# Altium PCB NURIP.PcbDoc (part 8 of 14)
Units mil, origin at the board's own origin, x right, y up, seen from the top; angles counter-clockwise.
Board outline 7096.64 x 6702.94 mil, 6 copper layers (L1, L2, L3, L4, L5, L6), stack 48.469 mil thick; 305 components, 426 nets, 2172 pads, 1040 vias.
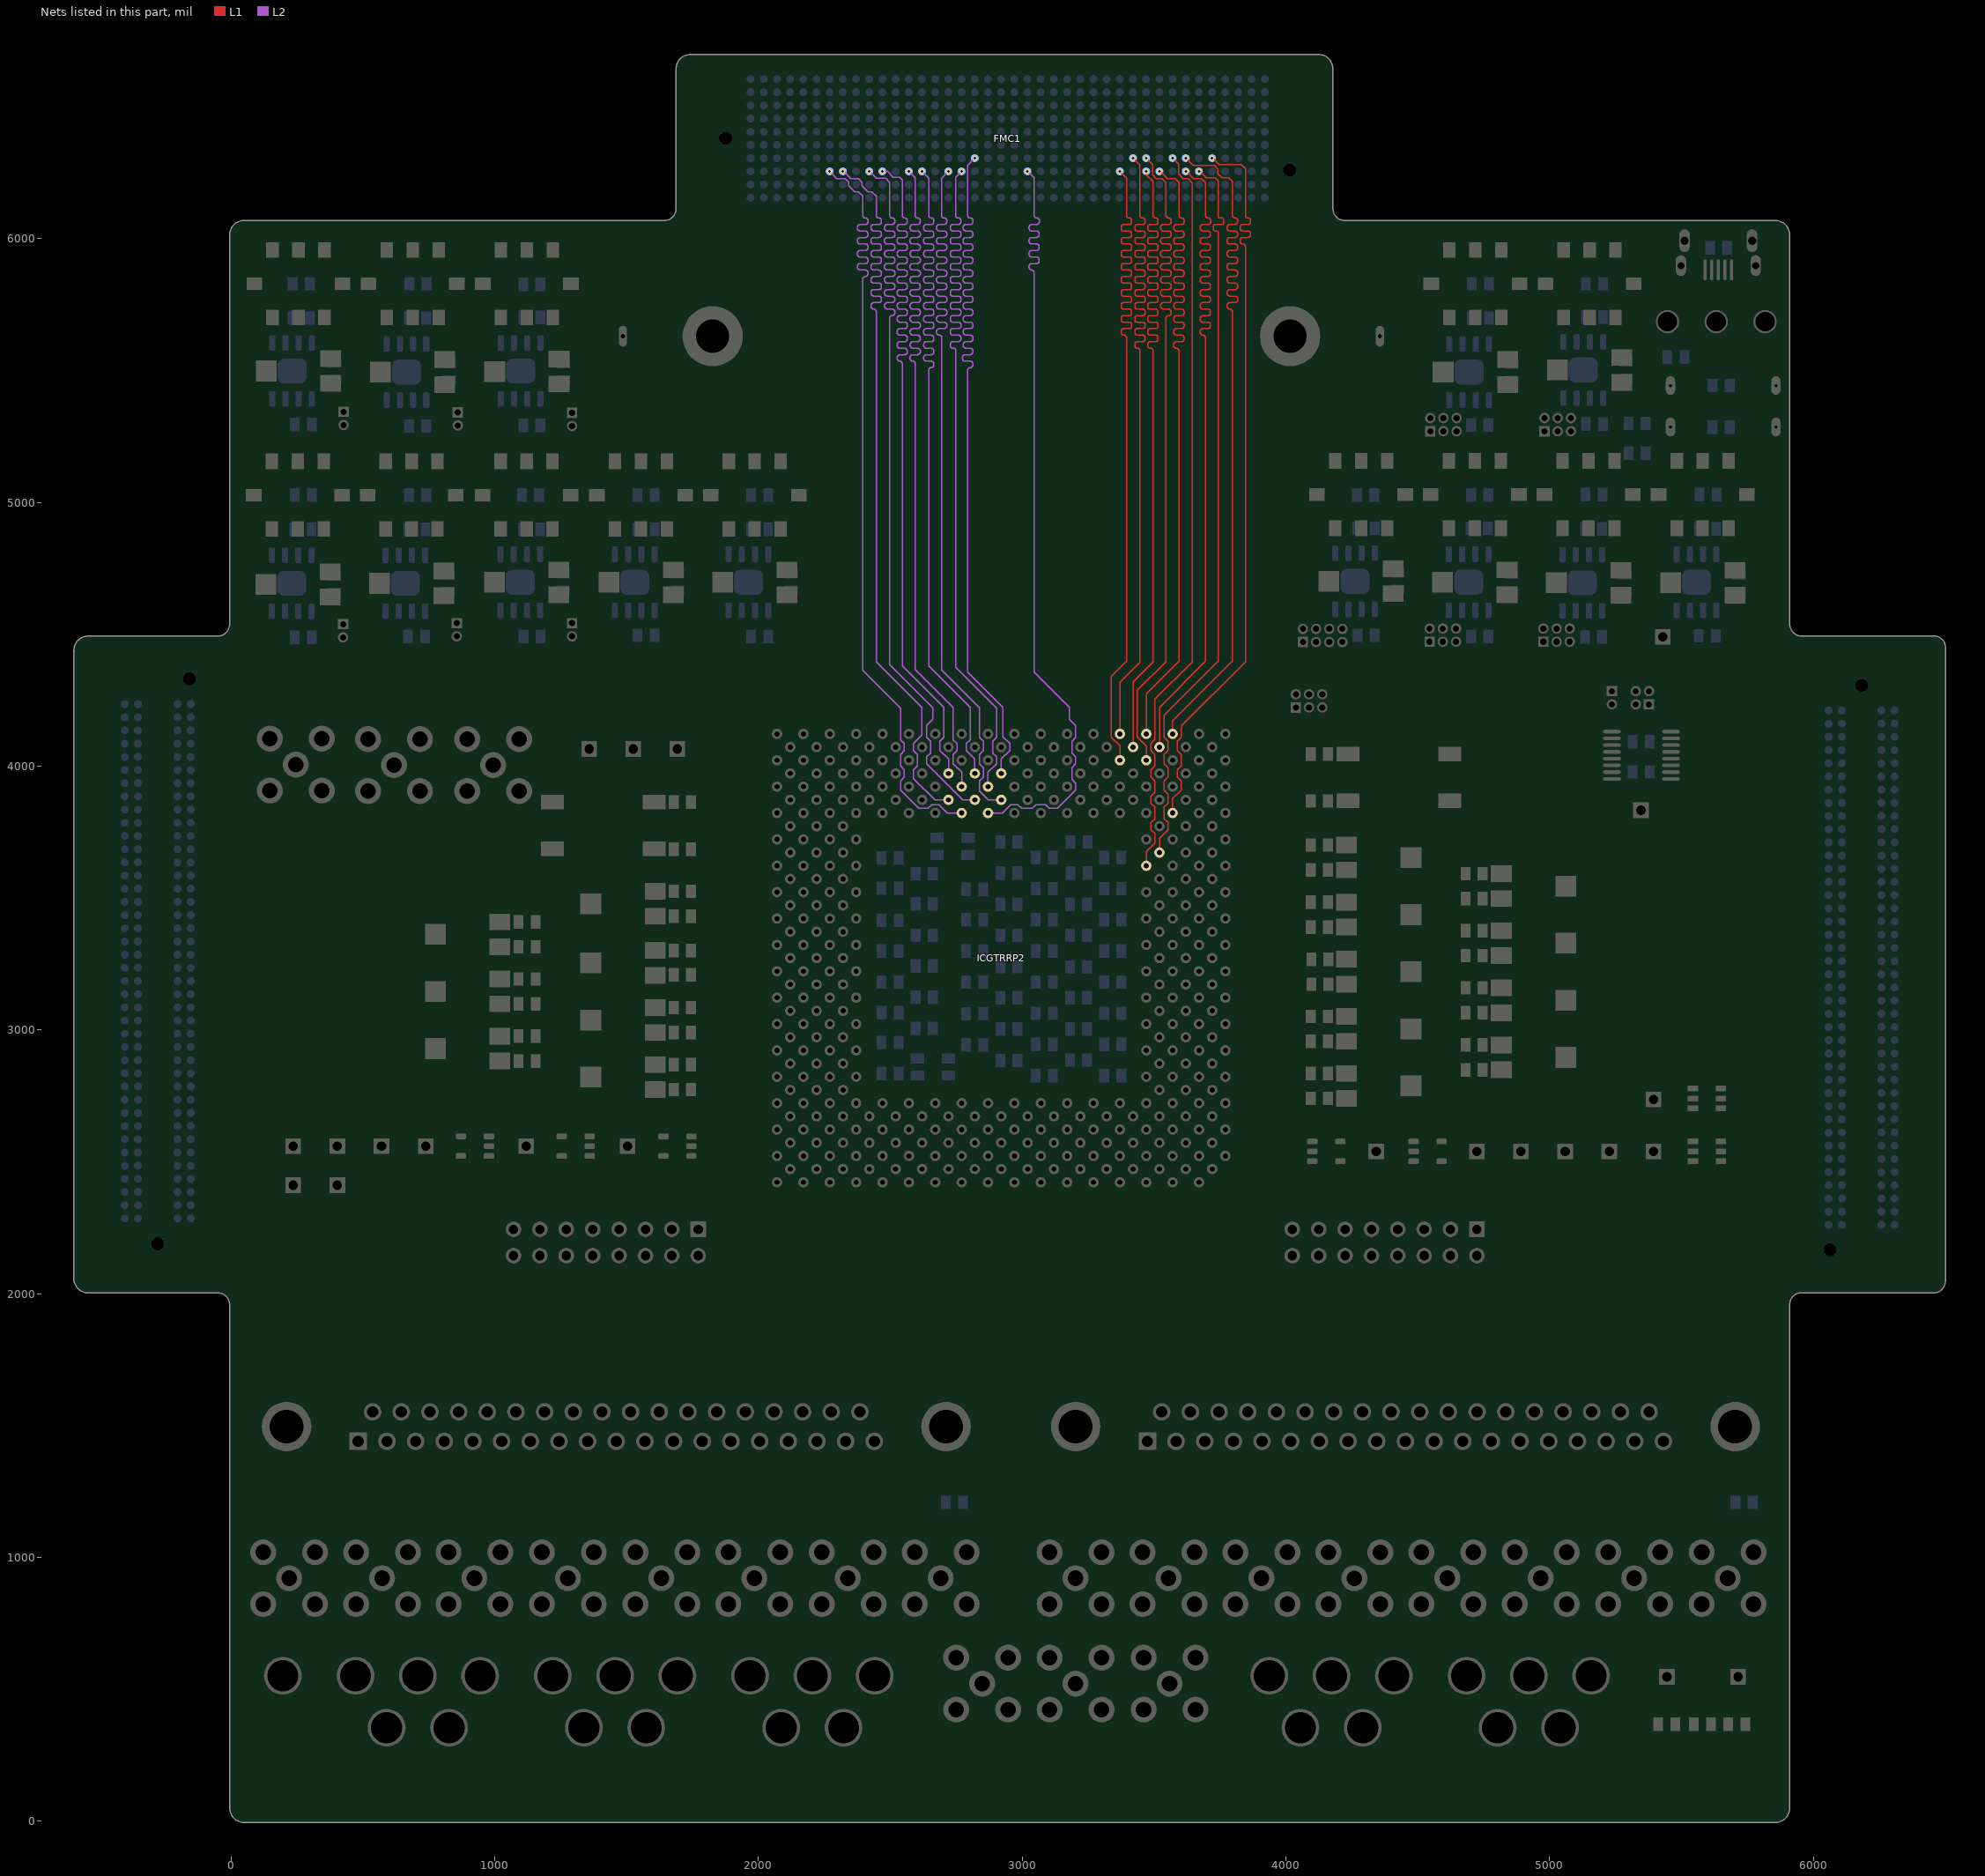
[diagram p12: the nets of this part, all layers, seen from the top]

## Via types
v1: diameter 20, hole 10, L1 to L6, tented both sides, 908 vias
v2: diameter 19.68, hole 7.87, L1 to L6, 126 vias
v3: diameter 196.85, hole 118.11, L1 to L6, 6 vias

## Nets (pads, with @x,y where several pads share a name; then routed paths per layer and width w, separated by ;. In a path a pad name is that pad's centre, name@x,y a point inside that pad or via, vN(x,y) a via of type N, cw(c..) or ccw(c..) an arc to the next point about the centre after c; other vN are vias at no path point) (continued)
EXT_PER_DIN(6): FMC1.G18 ICGTRRP2.AM18 | length 3061.3
  L2 w5: v1(2820.24,6304.92) 2793.31,6277.99 2793.31,6090.55 2793.31,6088.06 ccw(c2803.16,6088.06) 2803.16,6078.21 cw(c2803.16,6068.33) 2813.03,6068.33 2813.03,6063.4 cw(c2803.16,6063.4) 2803.16,6053.52 2793.31,6053.52 2786.76,6053.52 ccw(c2786.76,6043.65) 2776.88,6043.65 2776.88,6038.71 ccw(c2786.76,6038.71) 2786.76,6028.84 2793.31,6028.84 2803.16,6028.84 cw(c2803.16,6018.96) 2813.03,6018.96 2813.03,6014.03 cw(c2803.16,6014.03) 2803.16,6004.15 2793.31,6004.15 2786.76,6004.15 ccw(c2786.76,5994.28) 2776.88,5994.28 2776.88,5989.34 ccw(c2786.76,5989.34) 2786.76,5979.47 2793.31,5979.47 2803.16,5979.47 cw(c2803.16,5969.59) 2813.03,5969.59 2813.03,5964.66 cw(c2803.16,5964.66) 2803.16,5954.78 2793.31,5954.78 2786.76,5954.78 ccw(c2786.76,5944.91) 2776.88,5944.91 2776.88,5939.97 ccw(c2786.76,5939.97) 2786.76,5930.1 2793.31,5930.1 2803.16,5930.1 cw(c2803.16,5920.22) 2813.03,5920.22 2813.03,5915.29 cw(c2803.16,5915.29) 2803.16,5905.41 2793.31,5905.41 2786.76,5905.41 ccw(c2786.76,5895.54) 2776.88,5895.54 2776.88,5890.6 ccw(c2786.76,5890.6) 2786.76,5880.73 2793.31,5880.73 2803.16,5880.73 cw(c2803.16,5870.85) 2813.03,5870.85 2813.03,5865.92 cw(c2803.16,5865.92) 2803.16,5856.04 2793.31,5856.04 2786.76,5856.04 ccw(c2786.76,5846.17) 2776.88,5846.17 2776.88,5841.23 ccw(c2786.76,5841.23) 2786.76,5831.36 2793.31,5831.36 2803.16,5831.36 cw(c2803.16,5821.48) 2813.03,5821.48 2813.03,5816.55 cw(c2803.16,5816.55) 2803.16,5806.67 2793.31,5806.67 2786.76,5806.67 ccw(c2786.76,5796.8) 2776.88,5796.8 2776.88,5791.86 ccw(c2786.76,5791.86) 2786.76,5781.99 2793.31,5781.99 2803.16,5781.99 cw(c2803.16,5772.11) 2813.03,5772.11 2813.03,5767.18 cw(c2803.16,5767.18) 2803.16,5757.3 2793.31,5757.3 2786.76,5757.3 ccw(c2786.76,5747.43) 2776.88,5747.43 2776.88,5742.49 ccw(c2786.76,5742.49) 2786.76,5732.62 2793.31,5732.62 2803.16,5732.62 cw(c2803.16,5722.74) 2813.03,5722.74 2813.03,5717.81 cw(c2803.16,5717.81) 2803.16,5707.93 2793.31,5707.93 2786.76,5707.93 ccw(c2786.76,5698.06) 2776.88,5698.06 2776.88,5693.12 ccw(c2786.76,5693.12) 2786.76,5683.25 2793.31,5683.25 2803.16,5683.25 cw(c2803.16,5673.37) 2813.03,5673.37 2813.03,5668.44 cw(c2803.16,5668.44) 2803.16,5658.56 2793.31,5658.56 2786.76,5658.56 ccw(c2786.76,5648.69) 2776.88,5648.69 2776.88,5643.75 ccw(c2786.76,5643.75) 2786.76,5633.88 2793.31,5633.88 2803.16,5633.88 cw(c2803.16,5624) 2813.03,5624 2813.03,5619.07 cw(c2803.16,5619.07) 2803.16,5609.19 2793.31,5609.19 2786.76,5609.19 ccw(c2786.76,5599.32) 2776.88,5599.32 2776.88,5594.38 ccw(c2786.76,5594.38) 2786.76,5584.51 2793.31,5584.51 2803.16,5584.51 cw(c2803.16,5574.63) 2813.03,5574.63 2813.03,5569.7 cw(c2803.16,5569.7) 2803.16,5559.82 2793.31,5559.82 2783.45,5559.82 ccw(c2783.45,5549.95) 2773.58,5549.95 2773.58,5545.01 ccw(c2783.45,5545.01) 2783.45,5535.14 2793.31,5535.14 2803.16,5535.14 cw(c2803.16,5525.26) 2813.03,5525.26 2813.03,5520.33 cw(c2803.16,5520.33) 2803.16,5510.45 ccw(c2803.16,5500.6) 2793.31,5500.6 2793.31,5423.23 2793.31,4356.3 2927.17,4222.44 2927.17,4111.26 2952.89,4085.54 2952.89,4058.87 2920.71,4026.69 ICGTRRP2.AM18@2920.71,3972.2
EXT_PER_DIN(7): FMC1.H16 ICGTRRP2.AK18 | length 3067.6
  L2 w5: v1(2720.24,6254.92) 2694.88,6229.57 2694.88,6090.55 2694.88,6086.83 ccw(c2703.5,6086.83) 2703.5,6078.21 cw(c2703.5,6067.1) 2714.61,6067.1 2714.61,6064.63 cw(c2703.5,6064.63) 2703.5,6053.52 2694.88,6053.52 2686.35,6053.52 ccw(c2686.35,6042.42) 2675.24,6042.42 2675.24,6039.95 ccw(c2686.35,6039.95) 2686.35,6028.84 2694.88,6028.84 2703.41,6028.84 cw(c2703.41,6017.73) 2714.52,6017.73 2714.52,6015.26 cw(c2703.41,6015.26) 2703.41,6004.15 2694.88,6004.15 2686.35,6004.15 ccw(c2686.35,5993.05) 2675.24,5993.05 2675.24,5990.58 ccw(c2686.35,5990.58) 2686.35,5979.47 2694.88,5979.47 2703.41,5979.47 cw(c2703.41,5968.36) 2714.52,5968.36 2714.52,5965.89 cw(c2703.41,5965.89) 2703.41,5954.78 2694.88,5954.78 2686.35,5954.78 ccw(c2686.35,5943.68) 2675.24,5943.68 2675.24,5941.21 ccw(c2686.35,5941.21) 2686.35,5930.1 2694.88,5930.1 2703.41,5930.1 cw(c2703.41,5918.99) 2714.52,5918.99 2714.52,5916.52 cw(c2703.41,5916.52) 2703.41,5905.41 2694.88,5905.41 2686.35,5905.41 ccw(c2686.35,5894.31) 2675.24,5894.31 2675.24,5891.84 ccw(c2686.35,5891.84) 2686.35,5880.73 2694.88,5880.73 2703.41,5880.73 cw(c2703.41,5869.62) 2714.52,5869.62 2714.52,5867.15 cw(c2703.41,5867.15) 2703.41,5856.04 2694.88,5856.04 2686.35,5856.04 ccw(c2686.35,5844.94) 2675.24,5844.94 2675.24,5842.47 ccw(c2686.35,5842.47) 2686.35,5831.36 2694.88,5831.36 2703.41,5831.36 cw(c2703.41,5820.25) 2714.52,5820.25 2714.52,5817.78 cw(c2703.41,5817.78) 2703.41,5806.67 2694.88,5806.67 2686.35,5806.67 ccw(c2686.35,5795.57) 2675.24,5795.57 2675.24,5793.1 ccw(c2686.35,5793.1) 2686.35,5781.99 2694.88,5781.99 2703.41,5781.99 cw(c2703.41,5770.88) 2714.52,5770.88 2714.52,5768.41 cw(c2703.41,5768.41) 2703.41,5757.3 2694.88,5757.3 2686.35,5757.3 ccw(c2686.35,5746.2) 2675.24,5746.2 2675.24,5743.73 ccw(c2686.35,5743.73) 2686.35,5732.62 2694.88,5732.62 2703.41,5732.62 cw(c2703.41,5721.51) 2714.52,5721.51 2714.52,5719.04 cw(c2703.41,5719.04) 2703.41,5707.93 2694.88,5707.93 2686.35,5707.93 ccw(c2686.35,5696.83) 2675.24,5696.83 2675.24,5694.36 ccw(c2686.35,5694.36) 2686.35,5683.25 2694.88,5683.25 2703.41,5683.25 cw(c2703.41,5672.14) 2714.52,5672.14 2714.52,5669.67 cw(c2703.41,5669.67) 2703.41,5658.56 2694.88,5658.56 2686.35,5658.56 ccw(c2686.35,5647.46) 2675.24,5647.46 2675.24,5644.99 ccw(c2686.35,5644.99) 2686.35,5633.88 2686.27,5633.88 cw(c2686.26,5625.26) 2694.88,5625.26 2694.88,5523.62 2694.88,4364.17 2838.58,4220.47 2838.58,4135.65 2838.52,4135.6 2838.52,4108.87 2852.89,4094.5 2852.89,4058.87 2838.52,4044.5 2838.52,4008.87 2852.89,3994.5 2852.89,3958.87 2838.52,3944.5 2838.52,3905.57 2871.89,3872.2 ICGTRRP2.AK18@2920.71,3872.2
EXT_PER_DIN(8): FMC1.H17 ICGTRRP2.AL19 | length 3064.9
  L2 w5: v1(2770.24,6254.92) 2747.74,6232.42 2747.74,6090.55 2747.74,6086.85 ccw(c2756.38,6086.85) 2756.38,6078.21 2758.82,6078.21 cw(c2758.82,6069.57) 2767.46,6069.57 2767.46,6062.16 cw(c2758.82,6062.16) 2758.82,6053.52 2747.74,6053.52 2736.65,6053.52 ccw(c2736.65,6044.88) 2728.01,6044.88 2728.01,6037.48 ccw(c2736.65,6037.48) 2736.65,6028.84 2747.74,6028.84 2758.82,6028.84 cw(c2758.82,6020.2) 2767.46,6020.2 2767.46,6012.79 cw(c2758.82,6012.79) 2758.82,6004.15 2747.74,6004.15 2736.65,6004.15 ccw(c2736.65,5995.51) 2728.01,5995.51 2728.01,5988.11 ccw(c2736.65,5988.11) 2736.65,5979.47 2747.74,5979.47 2758.82,5979.47 cw(c2758.82,5970.83) 2767.46,5970.83 2767.46,5963.42 cw(c2758.82,5963.42) 2758.82,5954.78 2747.74,5954.78 2736.65,5954.78 ccw(c2736.65,5946.14) 2728.01,5946.14 2728.01,5938.74 ccw(c2736.65,5938.74) 2736.65,5930.1 2747.74,5930.1 2758.82,5930.1 cw(c2758.82,5921.46) 2767.46,5921.46 2767.46,5914.05 cw(c2758.82,5914.05) 2758.82,5905.41 2747.74,5905.41 2736.65,5905.41 ccw(c2736.65,5896.77) 2728.01,5896.77 2728.01,5889.37 ccw(c2736.65,5889.37) 2736.65,5880.73 2747.74,5880.73 2758.82,5880.73 cw(c2758.82,5872.09) 2767.46,5872.09 2767.46,5864.68 cw(c2758.82,5864.68) 2758.82,5856.04 2747.74,5856.04 2736.65,5856.04 ccw(c2736.65,5847.4) 2728.01,5847.4 2728.01,5840 ccw(c2736.65,5840) 2736.65,5831.36 2747.74,5831.36 2758.82,5831.36 cw(c2758.82,5822.72) 2767.46,5822.72 2767.46,5815.31 cw(c2758.82,5815.31) 2758.82,5806.67 2747.74,5806.67 2736.65,5806.67 ccw(c2736.65,5798.03) 2728.01,5798.03 2728.01,5790.63 ccw(c2736.65,5790.63) 2736.65,5781.99 2747.74,5781.99 2758.82,5781.99 cw(c2758.82,5773.35) 2767.46,5773.35 2767.46,5765.94 cw(c2758.82,5765.94) 2758.82,5757.3 2747.74,5757.3 2736.65,5757.3 ccw(c2736.65,5748.66) 2728.01,5748.66 2728.01,5741.26 ccw(c2736.65,5741.26) 2736.65,5732.62 2747.74,5732.62 2758.82,5732.62 cw(c2758.82,5723.98) 2767.46,5723.98 2767.46,5716.57 cw(c2758.82,5716.57) 2758.82,5707.93 2747.74,5707.93 2736.65,5707.93 ccw(c2736.65,5699.29) 2728.01,5699.29 2728.01,5691.89 ccw(c2736.65,5691.89) 2736.65,5683.25 2747.74,5683.25 2758.82,5683.25 cw(c2758.82,5674.61) 2767.46,5674.61 2767.46,5667.2 cw(c2758.82,5667.2) 2758.82,5658.56 2747.74,5658.56 2736.65,5658.56 ccw(c2736.65,5649.92) 2728.01,5649.92 2728.01,5642.52 ccw(c2736.65,5642.52) 2736.65,5633.88 2747.74,5633.88 2758.82,5633.88 cw(c2758.82,5625.24) 2767.46,5625.24 2767.46,5617.83 cw(c2758.82,5617.83) 2758.82,5609.19 2747.74,5609.19 2736.65,5609.19 ccw(c2736.65,5600.55) 2728.01,5600.55 2728.01,5593.15 ccw(c2736.65,5593.15) 2736.65,5584.51 2739.1,5584.51 cw(c2739.1,5575.87) 2747.74,5575.87 2747.74,5456.69 2747.74,4374.31 2902.89,4219.15 2902.89,4108.87 2888.52,4094.5 2888.52,4049.91 2902.89,4035.54 2902.89,4008.87 2870.71,3976.69 ICGTRRP2.AL19@2870.71,3922.2
EXT_PER_DIN(9): FMC1.H22 ICGTRRP2.AJ19 | length 3068.6
  L2 w5: ICGTRRP2.AJ19@2870.71,3822.2 2925.19,3822.2 2957.38,3854.39 2984.04,3854.39 2998.41,3840.02 3038.52,3840.02 3052.89,3854.39 3088.52,3854.39 3102.89,3840.02 3134.04,3840.02 3202.89,3908.87 3202.89,3935.54 3188.52,3949.91 3188.52,3994.5 3202.89,4008.87 3202.89,4035.54 3188.52,4049.91 3188.52,4094.5 3202.89,4108.87 3202.89,4154.39 3179.13,4178.15 3179.13,4222.44 3045.28,4356.3 3045.28,5720.47 3045.28,5870.88 ccw(c3035.42,5870.88) 3035.42,5880.73 ; v1(3020.24,6254.92) 3045.28,6229.88 3045.28,6090.55 3045.28,6088.06 ccw(c3055.13,6088.06) 3055.13,6078.21 cw(c3055.13,6068.33) 3065,6068.33 3065,6063.4 cw(c3055.13,6063.4) 3055.13,6053.52 3045.28,6053.52 3036.09,6053.52 ccw(c3036.09,6043.65) 3026.22,6043.65 3026.22,6038.71 ccw(c3036.09,6038.71) 3036.09,6028.84 3045.28,6028.84 3054.46,6028.84 cw(c3054.46,6018.96) 3064.33,6018.96 3064.33,6014.03 cw(c3054.46,6014.03) 3054.46,6004.15 3045.28,6004.15 3036.09,6004.15 ccw(c3036.09,5994.28) 3026.22,5994.28 3026.22,5989.34 ccw(c3036.09,5989.34) 3036.09,5979.47 3045.28,5979.47 3054.46,5979.47 cw(c3054.46,5969.59) 3064.33,5969.59 3064.33,5964.66 cw(c3054.46,5964.66) 3054.46,5954.78 3045.28,5954.78 3036.09,5954.78 ccw(c3036.09,5944.91) 3026.22,5944.91 3026.22,5939.97 ccw(c3036.09,5939.97) 3036.09,5930.1 3045.28,5930.1 3054.46,5930.1 cw(c3054.46,5920.22) 3064.33,5920.22 3064.33,5915.29 cw(c3054.46,5915.29) 3054.46,5905.41 3045.28,5905.41 3036.09,5905.41 ccw(c3036.09,5895.54) 3026.22,5895.54 3026.22,5890.6 ccw(c3036.09,5890.6) 3036.09,5880.73 ; 3035.51,5880.73 3036.01,5880.73
EXT_PER_DIN(10): FMC1.H14 ICGTRRP2.AM20 | length 3058.4
  L2 w5: v1(2620.24,6254.92) 2645.67,6229.49 2645.67,6090.55 2645.67,6086.83 ccw(c2654.29,6086.83) 2654.29,6078.21 cw(c2654.29,6067.1) 2665.4,6067.1 2665.4,6064.63 cw(c2654.29,6064.63) 2654.29,6053.52 2645.67,6053.52 2637.05,6053.52 ccw(c2637.05,6042.42) 2625.94,6042.42 2625.94,6039.95 ccw(c2637.05,6039.95) 2637.05,6028.84 2645.67,6028.84 2654.29,6028.84 cw(c2654.29,6017.73) 2665.4,6017.73 2665.4,6015.26 cw(c2654.29,6015.26) 2654.29,6004.15 2645.67,6004.15 2637.05,6004.15 ccw(c2637.05,5993.05) 2625.94,5993.05 2625.94,5990.58 ccw(c2637.05,5990.58) 2637.05,5979.47 2645.67,5979.47 2654.29,5979.47 cw(c2654.29,5968.36) 2665.4,5968.36 2665.4,5965.89 cw(c2654.29,5965.89) 2654.29,5954.78 2645.67,5954.78 2637.05,5954.78 ccw(c2637.05,5943.68) 2625.94,5943.68 2625.94,5941.21 ccw(c2637.05,5941.21) 2637.05,5930.1 2645.67,5930.1 2654.29,5930.1 cw(c2654.29,5918.99) 2665.4,5918.99 2665.4,5916.52 cw(c2654.29,5916.52) 2654.29,5905.41 2645.67,5905.41 2637.05,5905.41 ccw(c2637.05,5894.31) 2625.94,5894.31 2625.94,5891.84 ccw(c2637.05,5891.84) 2637.05,5880.73 2645.67,5880.73 2654.29,5880.73 cw(c2654.29,5869.62) 2665.4,5869.62 2665.4,5867.15 cw(c2654.29,5867.15) 2654.29,5856.04 2645.67,5856.04 2637.05,5856.04 ccw(c2637.05,5844.94) 2625.94,5844.94 2625.94,5842.47 ccw(c2637.05,5842.47) 2637.05,5831.36 2645.67,5831.36 2654.29,5831.36 cw(c2654.29,5820.25) 2665.4,5820.25 2665.4,5817.78 cw(c2654.29,5817.78) 2654.29,5806.67 2645.67,5806.67 2637.05,5806.67 ccw(c2637.05,5795.57) 2625.94,5795.57 2625.94,5793.1 ccw(c2637.05,5793.1) 2637.05,5781.99 2645.67,5781.99 2654.29,5781.99 cw(c2654.29,5770.88) 2665.4,5770.88 2665.4,5768.41 cw(c2654.29,5768.41) 2654.29,5757.3 2645.67,5757.3 2637.05,5757.3 ccw(c2637.05,5746.2) 2625.94,5746.2 2625.94,5743.73 ccw(c2637.05,5743.73) 2637.05,5732.62 2645.67,5732.62 2654.29,5732.62 cw(c2654.29,5721.51) 2665.4,5721.51 2665.4,5719.04 cw(c2654.29,5719.04) 2654.29,5707.93 2645.67,5707.93 2637.05,5707.93 ccw(c2637.05,5696.83) 2625.94,5696.83 2625.94,5694.36 ccw(c2637.05,5694.36) 2637.05,5683.25 2645.67,5683.25 2654.29,5683.25 cw(c2654.29,5672.14) 2665.4,5672.14 2665.4,5669.67 cw(c2654.29,5669.67) 2654.29,5658.56 2645.67,5658.56 2637.05,5658.56 ccw(c2637.05,5647.46) 2625.94,5647.46 2625.94,5644.99 ccw(c2637.05,5644.99) 2637.05,5633.88 2645.67,5633.88 2654.29,5633.88 cw(c2654.29,5622.77) 2665.4,5622.77 2665.4,5620.3 cw(c2654.29,5620.3) 2654.29,5609.19 2645.67,5609.19 2637.05,5609.19 ccw(c2637.05,5598.09) 2625.94,5598.09 2625.94,5595.62 ccw(c2637.05,5595.62) 2637.05,5584.51 2645.67,5584.51 2654.29,5584.51 cw(c2654.29,5573.4) 2665.4,5573.4 2665.4,5570.93 cw(c2654.29,5570.93) 2654.29,5559.82 2645.67,5559.82 2637.05,5559.82 ccw(c2637.05,5548.72) 2625.94,5548.72 2625.94,5546.25 ccw(c2637.05,5546.25) 2637.05,5535.14 2645.67,5535.14 2654.29,5535.14 cw(c2654.29,5524.03) 2665.4,5524.03 2665.4,5521.56 cw(c2654.29,5521.56) 2654.29,5510.45 ccw(c2654.29,5501.84) 2645.67,5501.84 2645.67,5429.13 2645.67,4379.92 2802.89,4222.7 2802.89,4099.91 2788.52,4085.54 2788.52,4058.87 2820.71,4026.69 ICGTRRP2.AM20@2820.71,3972.2
EXT_PER_DIN(11): FMC1.H10 ICGTRRP2.AK20 | length 3067.5
  L2 w5: v1(2420.24,6254.92) 2446.81,6228.35 2482.28,6228.35 2497.74,6212.89 2497.74,6090.55 2497.74,6086.83 ccw(c2506.35,6086.83) 2506.35,6078.21 cw(c2506.35,6067.1) 2517.46,6067.1 2517.46,6064.63 cw(c2506.35,6064.63) 2506.35,6053.52 2497.74,6053.52 2489.15,6053.52 ccw(c2489.15,6042.42) 2478.04,6042.42 2478.04,6039.95 ccw(c2489.15,6039.95) 2489.15,6028.84 2497.74,6028.84 2506.32,6028.84 cw(c2506.32,6017.73) 2517.43,6017.73 2517.43,6015.26 cw(c2506.32,6015.26) 2506.32,6004.15 2497.74,6004.15 2489.15,6004.15 ccw(c2489.15,5993.05) 2478.04,5993.05 2478.04,5990.58 ccw(c2489.15,5990.58) 2489.15,5979.47 2497.74,5979.47 2506.32,5979.47 cw(c2506.32,5968.36) 2517.43,5968.36 2517.43,5965.89 cw(c2506.32,5965.89) 2506.32,5954.78 2497.74,5954.78 2489.15,5954.78 ccw(c2489.15,5943.68) 2478.04,5943.68 2478.04,5941.21 ccw(c2489.15,5941.21) 2489.15,5930.1 2497.74,5930.1 2506.32,5930.1 cw(c2506.32,5918.99) 2517.43,5918.99 2517.43,5916.52 cw(c2506.32,5916.52) 2506.32,5905.41 2497.74,5905.41 2489.15,5905.41 ccw(c2489.15,5894.31) 2478.04,5894.31 2478.04,5891.84 ccw(c2489.15,5891.84) 2489.15,5880.73 2497.74,5880.73 2506.32,5880.73 cw(c2506.32,5869.62) 2517.43,5869.62 2517.43,5867.15 cw(c2506.32,5867.15) 2506.32,5856.04 2497.74,5856.04 2489.15,5856.04 ccw(c2489.15,5844.94) 2478.04,5844.94 2478.04,5842.47 ccw(c2489.15,5842.47) 2489.15,5831.36 2497.74,5831.36 2506.32,5831.36 cw(c2506.32,5820.25) 2517.43,5820.25 2517.43,5817.78 cw(c2506.32,5817.78) 2506.32,5806.67 2497.74,5806.67 2489.15,5806.67 ccw(c2489.15,5795.57) 2478.04,5795.57 2478.04,5793.1 ccw(c2489.15,5793.1) 2489.15,5781.99 2497.74,5781.99 2506.32,5781.99 cw(c2506.32,5770.88) 2517.43,5770.88 2517.43,5768.41 cw(c2506.32,5768.41) 2506.32,5757.3 2497.74,5757.3 2489.15,5757.3 ccw(c2489.15,5746.2) 2478.04,5746.2 2478.04,5743.73 ccw(c2489.15,5743.73) 2489.15,5732.62 2497.74,5732.62 2506.32,5732.62 cw(c2506.32,5721.51) 2517.43,5721.51 2517.43,5719.04 cw(c2506.32,5719.04) 2506.32,5707.93 ; 2506.35,5707.93 ccw(c2506.35,5699.31) 2497.74,5699.31 2497.74,5574.8 2497.74,4384.15 2661.42,4220.47 2661.42,4177.28 2638.52,4154.39 2638.52,4108.87 2652.89,4094.5 2652.89,4049.91 2638.52,4035.54 2638.52,4008.87 2775.19,3872.2 ICGTRRP2.AK20@2820.71,3872.2
EXT_PER_DIN(12): FMC1.H13 ICGTRRP2.AL21 | length 3067.9
  L2 w5: v1(2570.24,6254.92) 2594.49,6230.67 2594.49,6090.55 2594.49,6086.83 ccw(c2603.11,6086.83) 2603.11,6078.21 cw(c2603.11,6067.1) 2614.22,6067.1 2614.22,6064.63 cw(c2603.11,6064.63) 2603.11,6053.52 2594.49,6053.52 2586.13,6053.52 ccw(c2586.13,6042.42) 2575.02,6042.42 2575.02,6039.95 ccw(c2586.13,6039.95) 2586.13,6028.84 2594.49,6028.84 2602.84,6028.84 cw(c2602.84,6017.73) 2613.95,6017.73 2613.95,6015.26 cw(c2602.84,6015.26) 2602.84,6004.15 2594.49,6004.15 2586.13,6004.15 ccw(c2586.13,5993.05) 2575.02,5993.05 2575.02,5990.58 ccw(c2586.13,5990.58) 2586.13,5979.47 2594.49,5979.47 2602.84,5979.47 cw(c2602.84,5968.36) 2613.95,5968.36 2613.95,5965.89 cw(c2602.84,5965.89) 2602.84,5954.78 2594.49,5954.78 2586.13,5954.78 ccw(c2586.13,5943.68) 2575.02,5943.68 2575.02,5941.21 ccw(c2586.13,5941.21) 2586.13,5930.1 2594.49,5930.1 2602.84,5930.1 cw(c2602.84,5918.99) 2613.95,5918.99 2613.95,5916.52 cw(c2602.84,5916.52) 2602.84,5905.41 2594.49,5905.41 2586.13,5905.41 ccw(c2586.13,5894.31) 2575.02,5894.31 2575.02,5891.84 ccw(c2586.13,5891.84) 2586.13,5880.73 2594.49,5880.73 2602.84,5880.73 cw(c2602.84,5869.62) 2613.95,5869.62 2613.95,5867.15 cw(c2602.84,5867.15) 2602.84,5856.04 2594.49,5856.04 2586.13,5856.04 ccw(c2586.13,5844.94) 2575.02,5844.94 2575.02,5842.47 ccw(c2586.13,5842.47) 2586.13,5831.36 2594.49,5831.36 2602.84,5831.36 cw(c2602.84,5820.25) 2613.95,5820.25 2613.95,5817.78 cw(c2602.84,5817.78) 2602.84,5806.67 2594.49,5806.67 2586.13,5806.67 ccw(c2586.13,5795.57) 2575.02,5795.57 2575.02,5793.1 ccw(c2586.13,5793.1) 2586.13,5781.99 2594.49,5781.99 2602.84,5781.99 cw(c2602.84,5770.88) 2613.95,5770.88 2613.95,5768.41 cw(c2602.84,5768.41) 2602.84,5757.3 2594.49,5757.3 2586.13,5757.3 ccw(c2586.13,5746.2) 2575.02,5746.2 2575.02,5743.73 ccw(c2586.13,5743.73) 2586.13,5732.62 2594.49,5732.62 2602.84,5732.62 cw(c2602.84,5721.51) 2613.95,5721.51 2613.95,5719.04 cw(c2602.84,5719.04) 2602.84,5707.93 2594.49,5707.93 2586.13,5707.93 ccw(c2586.13,5696.83) 2575.02,5696.83 2575.02,5694.36 ccw(c2586.13,5694.36) 2586.13,5683.25 2594.49,5683.25 2602.84,5683.25 cw(c2602.84,5672.14) 2613.95,5672.14 2613.95,5669.67 cw(c2602.84,5669.67) 2602.84,5658.56 2594.49,5658.56 2586.13,5658.56 ccw(c2586.13,5647.46) 2575.02,5647.46 2575.02,5644.99 ccw(c2586.13,5644.99) 2586.13,5633.88 2594.49,5633.88 2602.84,5633.88 cw(c2602.84,5622.77) 2613.95,5622.77 2613.95,5620.3 cw(c2602.84,5620.3) 2602.84,5609.19 2594.49,5609.19 2586.13,5609.19 ccw(c2586.13,5598.09) 2575.02,5598.09 2575.02,5595.62 ccw(c2586.13,5595.62) 2586.13,5584.51 2594.49,5584.51 2602.84,5584.51 cw(c2602.84,5573.4) 2613.95,5573.4 2613.95,5570.93 cw(c2602.84,5570.93) 2602.84,5559.82 2594.49,5559.82 2586.13,5559.82 ccw(c2586.13,5548.72) 2575.02,5548.72 2575.02,5546.25 ccw(c2586.13,5546.25) 2586.13,5535.14 ; 2585.87,5535.14 cw(c2585.87,5526.52) 2594.49,5526.52 2594.49,5438.98 2594.49,4366.14 2738.52,4222.11 2738.52,4099.91 2752.89,4085.54 2752.89,4058.87 2738.52,4044.5 2738.52,4008.87 2770.71,3976.69 ICGTRRP2.AL21@2770.71,3922.2 ; 2585.88,5535.14 2586.12,5535.14